# KiCad board pedalboard-hw.kicad_pcb (continued)
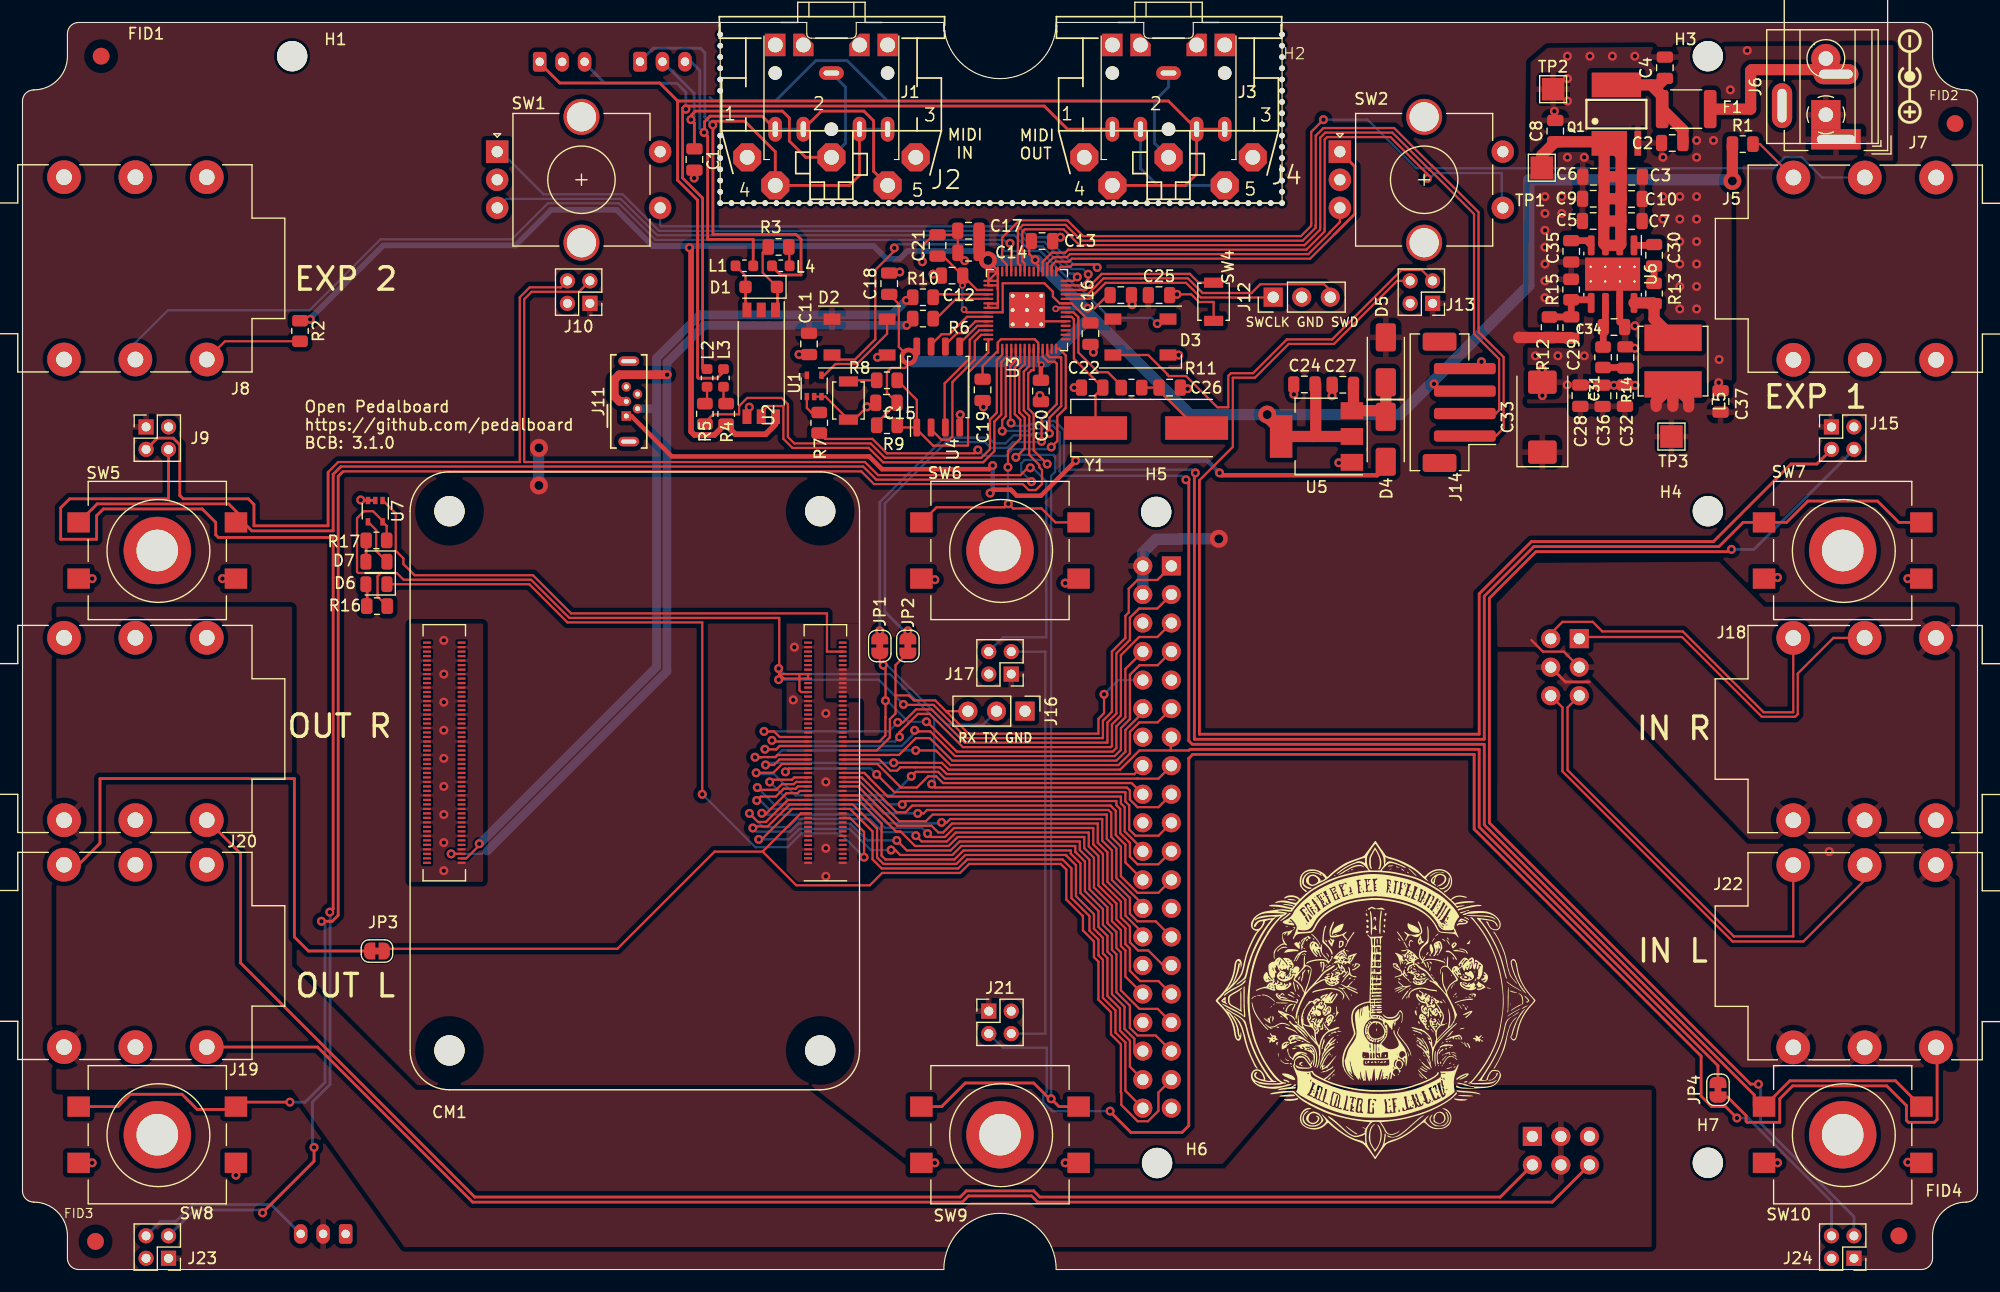
[diagram p0: board, top side]
## Footprints (pads in the part's own frame, mm; a bottom-side part is the same pattern mirrored in y, then rotated)
BarrelJack_Wuerth_6941xx301002
  rect 4.4x1.8 hole 3.4x0.8: 1(0,0)
  oval 4x1.8 hole 3x0.8: 2(0,-5.8)
  oval 1.8x4 hole 0.8x3: 3(4.8,-3)
C_0805_2012Metric
  rrect 1x1.45 smd: 1(-0.95,0) 2(0.95,0)
CP-2350
  rrect 2.5x2.5 hole 1.321: 1(7.5,10) 2(0,10) 3(-7.5,10) 4(5,12.5) 5(-5,12.5)
  rrect 1.8x2 hole 1.321: PE(-2.5,0) PE@(2.5,0)
  rect 1.8x2 hole 1.321: PE1(-5,0) PE2(5,0)
CP_EIA-7343-31_Kemet-D
  rrect 2.075x2.55 smd: 1(-3.112,0) 2(3.112,0)
Crystal_SMD_HC49-US
  rect 5.6x2.1 smd: 1(-4.5,0) 2(4.5,0)
D_SMA
  rrect 2.5x1.8 smd: 1(-2,0) 2(2,0)
D_SOD-123F
  rrect 1.1x1.1 smd: 1(-1.4,0) 2(1.4,0)
Fiducial_1.5mm_Mask3mm
  round 1.5 smd: (0,0)
Fuse_1812_4532Metric
  rrect 1.125x3.4 smd: 1(-2.138,0) 2(2.138,0)
HiFi Berry DAC ADC+
  rect 1.7x1.7 hole 1: 1(0,0) 41(-36.305,-6.47) 47(-32.13,-50.775)
  oval 1.7x1.7 hole 1: 2(2.54,0) 3(0,-2.54) 4(2.54,-2.54) 5(0,-5.08) 6(2.54,-5.08) 7(0,-7.62) 8(2.54,-7.62) 9(0,-10.16) 10(2.54,-10.16) 11(0,-12.7) 12(2.54,-12.7) 13(0,-15.24) 14(2.54,-15.24) 15(0,-17.78) 16(2.54,-17.78) 17(0,-20.32) 18(2.54,-20.32) 19(0,-22.86) 20(2.54,-22.86) 21(0,-25.4) 22(2.54,-25.4) 23(0,-27.94) 24(2.54,-27.94) 25(0,-30.48) 26(2.54,-30.48) 27(0,-33.02) 28(2.54,-33.02) 29(0,-35.56) 30(2.54,-35.56) 31(0,-38.1) 32(2.54,-38.1) 33(0,-40.64) 34(2.54,-40.64) 35(0,-43.18) 36(2.54,-43.18) 37(0,-45.72) 38(2.54,-45.72) 39(0,-48.26) 40(2.54,-48.26) 42(-33.765,-6.47) 43(-36.305,-9.01) 44(-33.765,-9.01) 45(-36.305,-11.55) 46(-33.765,-11.55) 48(-32.13,-53.315) 49(-34.67,-50.775) 50(-34.67,-53.315) 51(-37.21,-50.775) 52(-37.21,-53.315)
Jack_3.5mm_CUI_SJ1-3525N_Horizontal
  round 1.2 hole 1.2 unplated: (-5,0) (0,5) (5,0)
  oval 1.2x2.2 hole 0.45x1.4: R(-5,5) RN(-2.5,5) T(5,5) TN(2.5,5)
  oval 2.2x1.2 hole 1.4x0.45: S(0,0)
Jack_6.35mm_Horizontal
  round 3 hole 1.4: R(6.35,0) RN(6.35,-16.23) S(12.7,0) SN(12.7,-16.23) T(0,0) TN(0,-16.23)
JST_PH_B3B-PH-K_1x03_P2.00mm_Vertical
  rrect 1.2x1.75 hole 0.75: 1(0,0)
  oval 1.2x1.75 hole 0.75: 2(2,0) 3(4,0)
JST_PH_B4B-PH-SM4-TB_1x04-1MP_P2.00mm_Vertical
  rrect 1x5.5 smd: 1(-3,-0.5) 2(-1,-0.5) 3(1,-0.5) 4(3,-0.5)
  rrect 1.6x3 smd: MP(-5.4,1.75) MP(5.4,1.75)
L_0603_1608Metric
  rrect 0.875x0.95 smd: 1(-0.787,0) 2(0.787,0)
L_Bourns_SRN6045TA
  rect 2.35x5.1 smd: 1(-2.075,0) 2(2.075,0)
Led-Ring
  rect 1.35x1.35 hole 0.8: 1(0,0)
  oval 1.35x1.35 hole 0.8: 2(2,0) 3(0,-2) 4(2,-2)
LED_0805_2012Metric
  rrect 0.975x1.4 smd: 1(-0.938,0) 2(0.938,0)
LED_SK6812_PLCC4_5.0x5.0mm_P3.2mm
  rect 1.5x1 smd: 1(2.45,-1.6) 2(2.45,1.6) 3(-2.45,1.6) 4(-2.45,-1.6)
MIDI bites
  round 0.6 hole 0.5 unplated: (-25,-1) (-25,-2) (-25,-3) (-25,-4) (-25,-5) (-25,-6) (-25,-10) (-25,-11) (-25,-12) (-25,-13) (-25,-14) (-25,-15) (-25,-16) (-24,-16) (-23,-16) (-22,-16) (-21,-16) (-20,-16) (-19,-16) (-18,-16) (-17,-16) (-16,-16) (-15,-16) (-14,-16) (-13,-16) (-12,-16) (-11,-16) (-10,-16) (-9,-16) (-8,-16) (-7,-16) (-6,-16) (-5,-16) (-4,-16) (-3,-16) (-2,-16) (-1,-16) (0,-16) (1,-16) (2,-16) (3,-16) (4,-16) (5,-16) (6,-16) (7,-16) (8,-16) (9,-16) (10,-16) (11,-16) (12,-16) (13,-16) (14,-16) (15,-16) (16,-16) (17,-16) (18,-16) (19,-16) (20,-16) (21,-16) (22,-16) (23,-16) (24,-16) (25,-1) (25,-2) (25,-3) (25,-4) (25,-5) (25,-6) (25,-7) (25,-8) (25,-9) (25,-10) (25,-11) (25,-12) (25,-13) (25,-14) (25,-15) (25,-16)
MountingHole_2.7mm_M2.5_DIN965
  round 2.7 hole 2.7 unplated: (0,0)
PinHeader_1x03_P2.54mm_Vertical
  rect 1.7x1.7 hole 1: 1(0,0)
  oval 1.7x1.7 hole 1: 2(0,-2.54) 3(0,-5.08)
R_0805_2012Metric
  rrect 1.025x1.4 smd: 1(-0.912,0) 2(0.912,0)
Raspberry-Pi-4-Compute-Module
  round 2.7 hole 2.7 unplated: (0,48) (0,0) (33,48) (33,0)
  rect 0.7x0.2 smd: 1(-2,31.3) 2(1.08,31.3) 3(-2,30.9) 4(1.08,30.9) 5(-2,30.5) 6(1.08,30.5) 7(-2,30.1) 8(1.08,30.1) 9(-2,29.7) 10(1.08,29.7) 11(-2,29.3) 12(1.08,29.3) 13(-2,28.9) 14(1.08,28.9) 15(-2,28.5) 16(1.08,28.5) 17(-2,28.1) 18(1.08,28.1) 19(-2,27.7) 20(1.08,27.7) 21(-2,27.3) 22(1.08,27.3) 23(-2,26.9) 24(1.08,26.9) 25(-2,26.5) 26(1.08,26.5) 27(-2,26.1) 28(1.08,26.1) 29(-2,25.7) 30(1.08,25.7) 31(-2,25.3) 32(1.08,25.3) 33(-2,24.9) 34(1.08,24.9) 35(-2,24.5) 36(1.08,24.5) 37(-2,24.1) 38(1.08,24.1) 39(-2,23.7) 40(1.08,23.7) 41(-2,23.3) 42(1.08,23.3) 43(-2,22.9) 44(1.08,22.9) 45(-2,22.5) 46(1.08,22.5) 47(-2,22.1) 48(1.08,22.1) 49(-2,21.7) 50(1.08,21.7) 51(-2,21.3) 52(1.08,21.3) 53(-2,20.9) 54(1.08,20.9) 55(-2,20.5) 56(1.08,20.5) 57(-2,20.1) 58(1.08,20.1) 59(-2,19.7) 60(1.08,19.7) 61(-2,19.3) 62(1.08,19.3) 63(-2,18.9) 64(1.08,18.9) 65(-2,18.5) 66(1.08,18.5) 67(-2,18.1) 68(1.08,18.1) 69(-2,17.7) 70(1.08,17.7) 71(-2,17.3) 72(1.08,17.3) 73(-2,16.9) 74(1.08,16.9) 75(-2,16.5) 76(1.08,16.5) 77(-2,16.1) 78(1.08,16.1) 79(-2,15.7) 80(1.08,15.7) 81(-2,15.3) 82(1.08,15.3) 83(-2,14.9) 84(1.08,14.9) 85(-2,14.5) 86(1.08,14.5) 87(-2,14.1) 88(1.08,14.1) 89(-2,13.7) 90(1.08,13.7) 91(-2,13.3) 92(1.08,13.3) 93(-2,12.9) 94(1.08,12.9) 95(-2,12.5) 96(1.08,12.5) 97(-2,12.1) 98(1.08,12.1) 99(-2,11.7) 100(1.08,11.7) 101(31.92,31.3) 102(35,31.3) 103(31.92,30.9) 104(35,30.9) 105(31.92,30.5) 106(35,30.5) 107(31.92,30.1) 108(35,30.1) 109(31.92,29.7) 110(35,29.7) 111(31.92,29.3) 112(35,29.3) 113(31.92,28.9) 114(35,28.9) 115(31.92,28.5) 116(35,28.5) 117(31.92,28.1) 118(35,28.1) 119(31.92,27.7) 120(35,27.7) 121(31.92,27.3) 122(35,27.3) 123(31.92,26.9) 124(35,26.9) 125(31.92,26.5) 126(35,26.5) 127(31.92,26.1) 128(35,26.1) 129(31.92,25.7) 130(35,25.7) 131(31.92,25.3) 132(35,25.3) 133(31.92,24.9) 134(35,24.9) 135(31.92,24.5) 136(35,24.5) 137(31.92,24.1) 138(35,24.1) 139(31.92,23.7) 140(35,23.7) 141(31.92,23.3) 142(35,23.3) 143(31.92,22.9) 144(35,22.9) 145(31.92,22.5) 146(35,22.5) 147(31.92,22.1) 148(35,22.1) 149(31.92,21.7) 150(35,21.7) 151(31.92,21.3) 152(35,21.3) 153(31.92,20.9) 154(35,20.9) 155(31.92,20.5) 156(35,20.5) 157(31.92,20.1) 158(35,20.1) 159(31.92,19.7) 160(35,19.7) 161(31.92,19.3) 162(35,19.3) 163(31.92,18.9) 164(35,18.9) 165(31.92,18.5) 166(35,18.5) 167(31.92,18.1) 168(35,18.1) 169(31.92,17.7) 170(35,17.7) 171(31.92,17.3) 172(35,17.3) 173(31.92,16.9) 174(35,16.9) 175(31.92,16.5) 176(35,16.5) 177(31.92,16.1) 178(35,16.1) 179(31.92,15.7) 180(35,15.7) 181(31.92,15.3) 182(35,15.3) 183(31.92,14.9) 184(35,14.9) 185(31.92,14.5) 186(35,14.5) 187(31.92,14.1) 188(35,14.1) 189(31.92,13.7) 190(35,13.7) 191(31.92,13.3) 192(35,13.3) 193(31.92,12.9) 194(35,12.9) 195(31.92,12.5) 196(35,12.5) 197(31.92,12.1) 198(35,12.1) 199(31.92,11.7) 200(35,11.7)
RotaryEncoder_Alps_EC11E-Switch_Vertical_H20mm_CircularMountingHoles
  rect 2x2 hole 1: A(0,0)
  round 2 hole 1: B(0,-5) C(0,-2.5) S1(14.5,-5) S2(14.5,0)
  round 3.2 hole 2.6: MP(7.5,3.1) MP(7.5,-8.1)
RP2040-QFN-56
  rrect 1.084x1.084 smd: (-0.637,0.637) (-0.637,-0.637) (0.637,0.637) (0.637,-0.637)
  rrect 0.875x0.2 smd: 1(-3.438,2.6) 2(-3.438,2.2) 3(-3.438,1.8) 4(-3.438,1.4) 5(-3.438,1) 6(-3.438,0.6) 7(-3.438,0.2) 8(-3.438,-0.2) 9(-3.438,-0.6) 10(-3.438,-1) 11(-3.438,-1.4) 12(-3.438,-1.8) 13(-3.438,-2.2) 14(-3.438,-2.6) 29(3.438,-2.6) 30(3.438,-2.2) 31(3.438,-1.8) 32(3.438,-1.4) 33(3.438,-1) 34(3.438,-0.6) 35(3.438,-0.2) 36(3.438,0.2) 37(3.438,0.6) 38(3.438,1) 39(3.438,1.4) 40(3.438,1.8) 41(3.438,2.2) 42(3.438,2.6)
  rrect 0.2x0.875 smd: 15(-2.6,-3.438) 16(-2.2,-3.438) 17(-1.8,-3.438) 18(-1.4,-3.438) 19(-1,-3.438) 20(-0.6,-3.438) 21(-0.2,-3.438) 22(0.2,-3.438) 23(0.6,-3.438) 24(1,-3.438) 25(1.4,-3.438) 26(1.8,-3.438) 27(2.2,-3.438) 28(2.6,-3.438) 43(2.6,3.438) 44(2.2,3.438) 45(1.8,3.438) 46(1.4,3.438) 47(1,3.438) 48(0.6,3.438) 49(0.2,3.438) 50(-0.2,3.438) 51(-0.6,3.438) 52(-1,3.438) 53(-1.4,3.438) 54(-1.8,3.438) 55(-2.2,3.438) 56(-2.6,3.438)
  round 0.6 hole 0.35: 57(-1.275,1.275) 57(-1.275,0) 57(-1.275,-1.275) 57(0,1.275) 57(0,0) 57(0,-1.275) 57(1.275,1.275) 57(1.275,0) 57(1.275,-1.275)
  rrect 3.2x3.2 smd: 57(0,0)
SO08-E3
  rect 3.15x2.2 smd: 1-3(-0.635,-2.6)
  rect 0.6x2.2 smd: 4(1.905,-2.6)
  rect 4.4x2.2 smd: 5-8(0,2.6)
SO-6L_10x3.84mm_P1.27mm
  rect 1.3x0.8 smd: 1(-4.75,1.27) 2(-4.75,0) 3(-4.75,-1.27) 4(4.75,-1.27) 5(4.75,0) 6(4.75,1.27)
SOIC-8-1EP_3.9x4.9mm_P1.27mm_EP2.95x4.9mm_Mask2.71x3.4mm_ThermalVias
  rrect 1.13x1.42 smd: (-0.68,0.85) (-0.68,-0.85) (0.68,0.85) (0.68,-0.85)
  rect 2.71x3.4 smd: (0,0)
  rrect 1.775x0.6 smd: 1(-2.562,1.905) 2(-2.562,0.635) 3(-2.562,-0.635) 4(-2.562,-1.905) 5(2.562,-1.905) 6(2.562,-0.635) 7(2.562,0.635) 8(2.562,1.905)
  round 0.5 hole 0.2: 9(-0.65,1.95) 9(-0.65,0.65) 9(-0.65,-0.65) 9(-0.65,-1.95) 9(0.65,1.95) 9(0.65,0.65) 9(0.65,-0.65) 9(0.65,-1.95)
  rect 1.8x4.4 smd far side: 9(0,0)
  rect 2.95x4.9 smd: 9(0,0)
SOIC-8_5.23x5.23mm_P1.27mm
  rrect 1.6x0.6 smd: 1(-3.6,1.905) 2(-3.6,0.635) 3(-3.6,-0.635) 4(-3.6,-1.905) 5(3.6,-1.905) 6(3.6,-0.635) 7(3.6,0.635) 8(3.6,1.905)
SolderJumper-2_P1.3mm_Bridged_RoundedPad1.0x1.5mm
  custom 1x0.5 smd: 1(-0.65,0) 2(0.65,0)
SOT-223-3_TabPin2
  rect 2x1.5 smd: 1(-3.15,2.3) 2(-3.15,0) 3(-3.15,-2.3)
  rect 2x3.8 smd: 2(3.15,0)
SOT-353_SC-70-5
  rect 0.65x0.4 smd: 1(-0.95,0.65) 2(-0.95,0) 3(-0.95,-0.65) 4(0.95,-0.65) 5(0.95,0.65)
SW_PUSH-12mm_Wuerth
  rect 2x1.8 smd: 1(-7,2.5) 1(7,2.5) 2(-7,-2.5) 2(7,-2.5)
SW_SPST_B3U-1000P
  rect 0.9x1.7 smd: 1(-1.7,0) 2(1.7,0)
TerminalBlock_Phoenix_MKDS-1,5-2_1x02_P5.00mm_Horizontal
  rect 2.6x2.6 hole 1.3: 1(0,0)
  round 2.6 hole 1.3: 2(5,0)
TestPoint_Pad_2.0x2.0mm
  rect 2x2 smd: 1(0,0)
USB_Micro-B_Wuerth_614105150721_Vertical
  rect 0.84x0.84 hole 0.44: 1(0,0)
  round 0.84 hole 0.44: 2(0.65,-1) 3(1.3,0) 4(1.95,-1) 5(2.6,0)
  oval 0.85x1.85 hole 0.35x1.35: 6(-2.275,-0.22) 6(4.875,-0.22)
WA-SMSI_M2.5
  round 6 hole 3.7 unplated: (0,0)

## Nets
+1V1: C12.1 C16.1 C21.1 U3.23 U3.45 U3.50
+3V3: C13.1 C14.1 C15.1 C17.1 C18.1 C19.1 C20.1 C23.1 C24.1 J14.3 R1.1 R2.1 R4.1 R9.1 U2.6 U3.1 U3.10 U3.22 U3.33 U3.42 U3.43 U3.44 U3.48 U3.49 U4.8 U5.2
+5VP: C11.1 C25.1 C28.1 C29.1 C32.1 C33.1 C36.1 C37.1 CM1.77 CM1.79 CM1.81 CM1.83 CM1.85 CM1.87 D2.3 D3.3 D5.2 J9.1 J10.1 J13.1 J15.1 J17.1 J21.1 J23.1 J24.1 J27.2 J27.4 J28.2 L5.2 R12.1 TP3.1 U1.5
/Audio/GND_in_L: J22.RN J22.S J22.TN J27.44
/Audio/GND_in_R: J18.RN J18.S J18.TN J27.43
/Audio/GND_out: J19.S J20.S J27.49 J27.50
GND: C1.2 C2.2 C3.2 C4.2 C5.2 C6.2 C7.2 C8.2 C9.2 C10.2 C11.2 C12.2 C13.2 C14.2 C15.2 C16.2 C17.2 C18.2 C19.2 C20.2 C21.2 C22.2 C23.2 C24.2 C25.2 C26.2 C27.2 C28.2 C31.2 C32.2 C33.2 C34.2 C35.2 C36.2 C37.2 CM1.1 CM1.2 CM1.7 CM1.8 CM1.13 CM1.14 CM1.22 CM1.23 CM1.32 CM1.33 CM1.42 CM1.43 CM1.52 CM1.53 CM1.59 CM1.60 CM1.65 CM1.66 CM1.71 CM1.74 CM1.98 CM1.101 CM1.107 CM1.108 CM1.113 CM1.114 CM1.119 CM1.120 CM1.125 CM1.126 CM1.131 CM1.132 CM1.137 CM1.138 CM1.144 CM1.150 CM1.155 CM1.156 CM1.161 CM1.162 CM1.167 CM1.168 CM1.173 CM1.174 CM1.179 CM1.180 CM1.185 CM1.186 CM1.191 CM1.192 CM1.197 CM1.198 D2.1 D3.1 J3.S J4.2 J5.RN J5.S J6.1 J7.1 J8.RN J8.S J9.2 J10.2 J11.5 J11.6 J12.2 J13.2 J14.4 J15.2 J16.1 J17.2 J21.2 J23.2 J24.2 J26.2 J27.6 J27.9 J27.14 J27.20 J27.25 J27.30 J27.34 J27.39 J28.1 Q1.4 R15.2 SW1.C SW1.S2 SW2.C SW2.S2 SW3.1 SW4.1 SW5.2 SW6.2 SW7.2 SW8.2 SW9.2 SW10.2 TP2.1 U1.2 U1.3 U2.4 U3.19 U3.57 U4.4 U5.1 U6.7 U6.9 U7.2 U7.3
VBUS: D4.2 J11.1
/Audio/audio_in_stereo: CM1.48 J27.13 JP4.2
/Audio/audio_out_stereo: CM1.24 J27.37 JP3.2
/Audio/audio_pcm_clk: CM1.49 J27.12
/Audio/audio_pcm_din: CM1.27 J27.38
/Audio/audio_pcm_dout: CM1.25 J27.40
/Audio/audio_pcm_fs: CM1.26 J27.35
/Audio/CM4_3V3: CM1.78 CM1.84 CM1.86 J27.1 J27.17 R16.2 R17.2 U7.5
/Audio/CM4_GPIO4: CM1.54 J27.7
/Audio/CM4_GPIO5: CM1.34 J27.29
/Audio/CM4_GPIO6: CM1.30 J27.31
/Audio/CM4_GPIO7: CM1.37 J27.26
/Audio/CM4_GPIO8: CM1.39 J27.24
/Audio/CM4_GPIO9: CM1.40 J27.21
/Audio/CM4_GPIO10: CM1.44 J27.19
/Audio/CM4_GPIO11: CM1.38 J27.23
/Audio/CM4_GPIO12: CM1.31 J27.32
/Audio/CM4_GPIO13: CM1.28 J27.33
/Audio/CM4_GPIO14: CM1.55 J16.2 J27.8 JP1.1
/Audio/CM4_GPIO15: CM1.51 J16.3 J27.10 JP2.1
/Audio/CM4_GPIO16: CM1.29 J27.36
/Audio/CM4_GPIO17: CM1.50 J27.11
/Audio/CM4_GPIO22: CM1.46 J27.15
/Audio/CM4_GPIO23: CM1.47 J27.16
/Audio/CM4_GPIO24: CM1.45 J27.18
/Audio/CM4_GPIO25: CM1.41 J27.22
/Audio/CM4_ID_SC: CM1.35 J27.28
/Audio/CM4_ID_SD: CM1.36 J27.27
/Audio/CM4_LED_ACT: CM1.21 D6.1
/Audio/CM4_LED_PWR: CM1.95 U7.1
/Audio/conf_i2c_scl: CM1.56 J27.5
/Audio/conf_i2c_sda: CM1.58 J27.3
/Audio/in_L+: J22.T J27.45
/Audio/in_L-: J22.R J27.46
/Audio/in_R+: J18.T J27.42
/Audio/in_R-: J18.R J27.41
/Connectivity/USB2_N: CM1.103 J11.2 R10.1
/Connectivity/USB2_P: CM1.105 J11.3 R6.1
/LEDs/RGB_DATA: R7.1 U3.14
/MIDI/A_EXP1: J5.R U3.40
/MIDI/A_EXP2: J8.R U3.39
/MIDI/EXT_MIDI_RX: U2.5 U3.3
/MIDI/EXT_MIDI_TX: R5.2 U3.2
/MIDI/I2C_SCL: J14.1 U3.37
/MIDI/I2C_SDA: J14.2 U3.36
/MIDI/QSPI_SCLK: U3.52 U4.6
/MIDI/QSPI_SD0: U3.53 U4.5
/MIDI/QSPI_SD1: U3.55 U4.2
/MIDI/QSPI_SD2: U3.54 U4.3
/MIDI/QSPI_SD3: U3.51 U4.7
/MIDI/QSPI_SS: R8.2 R9.2 U3.56 U4.1
/MIDI/ROT_GAIN_A: SW2.A U3.30
/MIDI/ROT_GAIN_B: SW2.B U3.31
/MIDI/ROT_VOL_A: SW1.A U3.27
/MIDI/ROT_VOL_B: SW1.B U3.28
/MIDI/SW_A: SW8.1 U3.8
/MIDI/SW_B: SW9.1 U3.7
/MIDI/SW_C: SW10.1 U3.4
/MIDI/SW_D: SW5.1 U3.9
/MIDI/SW_E: SW6.1 U3.6
/MIDI/SW_F: SW7.1 U3.5
/MIDI/SW_GAIN: SW2.S1 U3.32
/MIDI/SW_VOL: SW1.S1 U3.29
/MIDI/SWCLK: J12.1 U3.24
/MIDI/SWD: J12.3 U3.25
/MIDI/XIN: C22.1 U3.20 Y1.1
/MIDI/XOUT: R11.1 U3.21
/MIDI/~{USB_BOOT}: R8.1 SW3.2
/Power Supply/fused: C2.1 C4.1 F1.2 Q1.5-8
/Power Supply/ored: C27.1 D4.1 D5.1 U5.3
/Power Supply/polarity_checked: C3.1 C5.1 C6.1 C7.1 C8.1 C9.1 C10.1 Q1.1-3 TP1.1 U6.2 U6.3
/Power Supply/switch: L5.1 R13.1 U6.8
/Power Supply/unfused: F1.1 J6.2 J7.2
Net-(C26-Pad1): C26.1 R11.2 Y1.2
Net-(C30-Pad1): C30.1 R13.2
Net-(C31-Pad1): C31.1 R14.2
Net-(D1-A): D1.2 L1.2 U2.3
Net-(D1-K): D1.1 R3.2 U2.1
Net-(D2-DIN): D2.2 U1.4
Net-(D2-DOUT): D2.4 D3.2
Net-(D3-DOUT): D3.4 J13.3
Net-(D6-A): D6.2 R16.1
Net-(D7-A): D7.2 R17.1
Net-(D7-K): D7.1 U7.4
Net-(J5-PadT): J5.T R1.2
Net-(J8-PadT): J8.T R2.2
Net-(J10-Pin_3): J10.3 J17.4
Net-(J10-Pin_4): J9.3 J10.4
Net-(J13-Pin_4): J13.4 J15.3
Net-(J15-Pin_4): J15.4 J24.3
Net-(J17-Pin_3): J17.3 J21.4
Net-(J21-Pin_3): J21.3 J24.4
Net-(J23-Pin_3): J9.4 J23.3
Net-(J23-Pin_4): J23.4 J28.3
Net-(J25-Pin_1): J1.R J1.RN J2.4 J25.1 L4.1
Net-(J25-Pin_2): C1.1 J1.S J2.2 J25.2
Net-(J25-Pin_3): J1.T J1.TN J2.5 J25.3 L1.1
Net-(J26-Pin_1): J3.R J3.RN J4.4 J26.1 L3.1
Net-(J26-Pin_3): J3.T J3.TN J4.5 J26.3 L2.1
Net-(J27-out_L): J19.T J27.52
Net-(J27-out_R): J20.T J27.48
Net-(JP1-B): JP1.2 U3.12
Net-(JP2-B): JP2.2 U3.11
Net-(JP3-A): J19.SN JP3.1
Net-(JP4-A): J22.SN JP4.1
Net-(L2-Pad2): L2.2 R5.1
Net-(L3-Pad2): L3.2 R4.2
Net-(L4-Pad2): L4.2 R3.1
Net-(U1-A): R7.2 U1.1
Net-(U3-RUN): SW4.2 U3.26
Net-(U3-USB_DM): R10.2 U3.46
Net-(U3-USB_DP): R6.2 U3.47
Net-(U6-BST): C30.2 U6.1
Net-(U6-COMP): C34.1 R14.1 U6.6
Net-(U6-FB): C29.2 R12.2 R15.1 U6.5
Net-(U6-SS): C35.1 U6.4

Pads without a net: CM1 3 4 5 6 9 10 11 12 15 16 17 18 19 20 57 61 62 63 64 67 68 69 70 72 73 75 76 80 82 88 89 90 91 92 93 94 96 97 99 100 102 104 106 109 110 111 112 115 116 117 118 121 122 123 124 127 128 129 130 133 134 135 136 139 140 141 142 143 145 146 147 148 149 151 152 153 154 157 158 159 160 163 164 165 166 169 170 171 172 175 176 177 178 181 182 183 184 187 188 189 190 193 194 195 196 199 200; J2 1 3 PE PE1 PE2 PE@; J4 1 3 PE PE1 PE2 PE@; J5 SN TN; J7 3; J8 SN TN; J11 4; J14 MP; J18 SN; J19 R RN TN; J20 R RN SN TN; J27 47 51; SW1 MP; SW2 MP; U2 2; U3 13 15 16 17 18 34 35 38 41

## Via types
v1: diameter 0.8, hole 0.4, Top to Bottom, 193 vias
v2: diameter 1.6, hole 0.8, Top to Bottom, 7 vias
v3: diameter 0.6, hole 0.3, Top to Bottom, 4 vias

## Routing (per net, layer and track width the routed paths; a pad name or vN(x,y) marks a point on that pad's centre or on a via; arc(x,y) is an arc through that point)
+1V1: length 23.7
  Top w0.2: 81.76,90.38 83.54,88.6 ; v3(83.8,85.44) 84.04,85.2 U3.50 87.24,85.2 87.24,87.79 90.95,87.79 91.71,87.03 91.71,86.6 92.31,86 U3.23 93.37,86 95.05,84.32 ; 85.66,87.2 84.95,87.2 C12.1 83.68,87.61 v3(83.66,87.59)
  Bottom w0.2: v3(83.66,87.59) 83.66,85.58 v3(83.8,85.44)
+3V3: length 266.2
  Top w0.2: 96.6,86.75 95.42,85.57 v1(94.79,85.57) ; U3.42 86.8,88 ; U3.42 86.8,88.95 v2(85.92,89.83) ; U3.42 U3.43 ; U3.42 85.97,88.84 85.96,88.84 ; 86.8,88 86.8,87.29 86.81,87.28 ; 86.8,88 U3.43 ; U3.22 92.04,85.6 v3(91.95,85.51) ; U3.43 U3.44 86.79,87.6 86.81,87.58 86.81,87.28 ; U3.43 85.96,88.84 ; C19.1 85.45,80.41 86.7,81.66 ; 86.81,87.28 86.81,85.98 ; U3.1 86.8,82.52 87.09,82.81 90.08,82.81 90.4,82.49 U3.10 90.4,80.82 v3(90.68,80.54) 90.64,80.5 ; 85.96,88.84 85.96,89.79 v2(85.92,89.83) ; U3.33 90.4,89.37 90.12,89.65 v1(90.12,89.87) 89.6,90.39 89.6,91.95 ; 76.03,75.34 C15.1 76.94,78.05 76.94,79.87 77.32,80.25 78.55,80.25 79.59,81.3 U4.8 78.87,81.42 v2(78.87,81.25) 78,82.12 78,85.94 C18.1 ; 86.81,85.98 85.98,85.98 U3.48 U3.49 86.79,85.6 86.79,85.96 86.81,85.98 ; v2(85.92,89.83) 85.15,90.6
  Top w0.4: 90.64,80.5 C20.1
  Top w0.5: 67.02,75.23 66.14,74.35 63.44,74.35 62.54,75.25 61.58,74.28 59.81,74.28 59.5,74.59 59.5,90.8 v1(59.36,90.95)
  Top w1: v2(110.78,76.1) 110.78,75.87 112.5,74.15 114.85,74.15 ; 85.14,92.59 85.14,90.61 85.15,90.6 ; 114.85,74.15 115.1,74.4 115.1,78.8 ; 114.85,74.15 118.8,74.15 ; 152.19,100.04 152.18,100.04 v2(152.18,96.9)
  Bottom w0.25: 85.83,89.83 v2(85.92,89.83)
  Bottom w0.4: v1(94.79,85.57) 92.01,85.57 v3(91.95,85.51)
  Bottom w0.5: 85.83,89.83 84.99,90.67 78.77,90.67 78.07,89.97 76.9,89.97 75.77,91.1 56.11,91.1 52.89,94.32 47.05,94.32 43.88,91.15 32.1,91.15 25.61,84.66 v1(25.61,84.57)
  Bottom w1: v2(85.92,89.83) 90.29,89.83 94.54,85.57 ; 94.79,85.21 103.9,76.1 v2(110.78,76.1) 122.59,76.1 125.61,79.12 125.63,79.12 125.63,79.14 134.07,87.58 134.07,97 152.08,97 v2(152.18,96.9) ; 95,84.75 91.06,80.81 79.31,80.81 v2(78.87,81.25)
  vias: v1(125.63,78.83)
+5VP: length 27
  Top w0.2: 46.19,73.36 v2(45.97,73.13) ; 51.02,86 J10.1
  Top w1: 133.18,82.98 133.2,82.96 R12.1 137.77,82.96 C29.1 ; 146.89,78.78 146.89,76.83 ; 145.4,76.83 145.4,77.28 L5.2 148.29,77.4 148.29,76.78
  Bottom w1: v2(45.97,73.13) 45.93,73.1 45.93,69.82 v2(45.96,69.79) ; J27.4 J27.2 99.71,63.83 100.88,65 103,65 103.04,65.04 v2(106.47,65.04)
/Audio/GND_in_L: length 4
  Top w0.25: 139.45,52.3 137.33,52.3 J27.44
  vias: v1(160.8,37.2)
/Audio/GND_in_R: length 5.3
  Top w0.2: 134.29,56.03 135.32,55 137.17,55 J27.43
GND: length 106
  Top w0.2: 76.1,77 75.37,77 v1(75.16,76.79) 74.02,75.65 SW3.1 71.46,77.7 U1.3 U1.2 ; v1(116.55,77.77) 116.98,78.2 116.98,78.72 ; 83.24,90.51 C17.2 82.88,92.1 C21.2 ; 98.79,87.04 98.79,85.91 v1(98.76,85.88) ; 142.16,87.97 U6.9 ; C26.2 103.6,78.5 v1(103.7,78.4) ; C16.2 95.05,81.91 v1(95.31,81.65) ; 118.8,71.85 117.19,71.85 v1(117.15,71.81) ; 113.14,78.71 113.15,78.7 v1(113.15,77.9) ; 90.55,77.25 v1(90.55,77.8) ; v1(85.52,76.78) 85.65,76.91 85.65,77.35 ; v1(81.04,88.6) 81.78,88.6 ; v1(59.78,97.15) 59.8,97.17 C1.2 ; v1(69.11,81.45) 69.12,81.44 C11.2 ; v1(102.75,86.8) 104.02,86.8 104.7,86.12 106.01,86.12 SW4.1 ; C18.2 77.99,88.7 v1(78.08,88.79) ; C22.2 v1(93.6,78.5) ; v1(80.09,89.7) 80.09,91.11 81.26,92.28 ; U3.19 90.95,84.4 U3.57 ; U2.4 64.48,76.55 v1(64.69,76.76) ; 142.16,84.33 C34.2
  Top w0.25: D2.1 76.3,81.4 v1(76.1,81.2) ; v1(30.1,68.5) 30.13,68.46 31,68.46 ; 31,68.46 31.4,68.46 ; 31,68.46 30.74,68.46 ; D3.1 v1(102.9,81.4)
  Top w0.6: 142.16,87.97 U6.7 142.16,84.33
  Bottom w0.2: 92.09,91.89 92.09,91.89 92.13,91.89
  Bottom w0.25: 100.75,104 77,104 73.4,107.6 70.6,107.6 67.02,104.02 61.49,104.02 61.18,104.33 ; 100.75,104 100.75,100.25 J4.2 ; 100.75,104 102,105.25 J3.S
  Bottom w0.4: U3.57 U3.57 ; U3.57 U3.57 ; U3.57 U3.57 ; U3.57 U3.57 ; U3.57 U3.57 ; U3.57 U3.57
  vias: v1(6.2,61.5) v1(6.2,9.5) v1(17.8,61.5) v1(19,8.4) v1(37.5,56) v1(37.5,53) v1(37.5,50.5) v1(37.5,48) v1(37.5,45.5) v1(37.5,43) v1(37.5,40.5) v1(37.5,38) v1(37.5,35.5) v1(68.6,50.7) v1(68.7,55.4) v1(71.5,49.5) v1(71.5,43.4) v1(71.5,37.5) v1(71.5,35) v1(81.2,61.4) v1(81.2,9.5) v1(83.46,76.09) v1(83.86,89.79) v1(92.38,91.89) v1(92.8,61.1) v1(92.8,9.5) v1(129.85,80.8) v1(134.65,81.33) v1(135.25,80.14) v1(135.27,77.79) v1(135.5,95.5) v1(135.5,94) v1(135.5,92.5) v1(135.5,91) v1(135.5,89.5) v1(135.5,88) v1(135.5,86.5) v1(136.34,103.1) v1(136.65,81.33) v1(137,95.5) v1(137,94) v1(137.5,108) v1(137.5,106) v1(137.5,104) v1(137.5,99) v1(137.48,78.74) v1(139,99) v1(139,81.33) v1(139.5,108) v1(139.6,78.75) v1(141.5,108) v1(141.64,78.71) v1(143.5,108) v1(143.5,84) v1(143.5,82) v1(143.52,78.71) v1(146,99) v1(146,95.5) v1(146,93.5) v1(147.5,95.5) v1(147.5,93.5) v1(147.5,91.5) v1(147.5,89.5) v1(147.5,87.5) v1(147.5,85.5) v1(149,100.5) v1(149,99) v1(149,95.5) v1(149,93.5) v1(149,91.5) v1(149,89.5) v1(149,87.5) v1(149,85.5) v1(150.5,100.5) v1(151,81) v1(150.96,78.94) v1(152,105) v1(153.5,108.5) v1(156.2,61.6) v1(156.2,9.5) v1(167.8,61.5) v1(167.8,9.55)
VBUS: length 75.8
  Top w0.4: v1(106.54,70.91) 106.75,70.7 120.55,70.7 121.9,72.05 ; v1(93.73,72) 93.73,71.97 90.64,68.88 88.49,68.88 87.96,69.41 86.42,69.41 v1(86.12,69.11) ; v1(86.35,71.56) 86.02,71.24 76.5,71.24 75.37,72.38 57.78,72.38 54.19,75.97 J11.1
  Bottom w0.2: 86.35,69.43 86.12,69.2 v1(86.12,69.11)
  Bottom w0.4: v1(93.73,72) 105.45,72 v1(106.54,70.91) ; v1(86.35,71.56) 86.35,69.43
/Audio/audio_in_stereo: length 108.2
  Top w0.2: 102.2,46.2 99.4,46.2 97.7,44.5 82.42,44.5 81.82,45.1 79.61,45.1 79.6,45.11 v1(77.54,45.11) ; 102.2,46.2 103.8,46.2 103.9,46.3 ; 102.2,46.2 102.2,47.33 ; v1(66.13,44.91) 66.88,44.91 67.37,45.4 CM1.48
  Top w0.25: JP4.2 150.9,18.14 129.65,39.39 129.65,46.3 103.9,46.3
  Bottom w0.2: v1(66.13,44.91) 66.32,45.1 77.53,45.1 v1(77.54,45.11)
/Audio/audio_out_stereo: length 102.3
  Top w0.2: CM1.24 69.27,40.6 65.87,37.2 ; 32.4,28.55 52.95,28.55 61.6,37.2 65.87,37.2 ; 65.87,37.2 68.87,34.2 75.41,34.2 76.51,35.3 83.45,35.3 84.25,36.1 92.4,36.1 92.9,35.6 92.9,32.93 94.35,31.48 94.38,31.48 94.38,30.18 95.36,29.2 95.36,27.8 95.76,27.4 95.76,24.02 96.88,22.9 96.88,20.93 97.76,20.05 97.76,15.75 97.8,15.71 97.8,14.65 99.25,13.2 100.17,13.2 101.1,14.13 101.1,15.75 J27.37
/Audio/audio_pcm_clk: length 31.1
  Top w0.2: 99.71,49.58 98.16,48.03 98.16,46.09 97.37,45.3 82.75,45.3 80.75,47.3 79.51,47.3 78.02,45.81 77.25,45.81 77.24,45.8 CM1.49
/Audio/audio_pcm_din: length 46.7
  Top w0.2: J27.38 98.56,18.05 98.56,20.38 97.68,21.26 97.68,23.23 96.56,24.35 96.56,27.73 96.16,28.13 96.16,29.53 95.36,30.33 95.36,31.63 93.76,33.23 93.76,35.99 92.9,36.85 92.9,36.9 83.92,36.9 83.12,36.1 76.63,36.1 76.06,36.68 76.06,39.24 73.9,41.4 CM1.27
/Audio/audio_pcm_dout: length 48.6
  Top w0.2: J27.40 98.16,15.91 98.16,20.21 97.28,21.09 97.28,23.07 96.16,24.19 96.16,27.57 95.76,27.97 95.76,29.37 94.96,30.17 94.96,31.47 93.36,33.07 93.36,35.71 92.57,36.5 84.08,36.5 83.28,35.7 76.47,35.7 75.66,36.51 75.66,38.99 73.65,41 CM1.25
/Audio/audio_pcm_fs: length 58.1
  Top w0.2: v1(77.3,37.34) 77.68,37.34 78.12,36.9 82.76,36.9 83.56,37.7 93.7,37.7 93.7,37.18 94.56,36.32 94.56,33.68 96.16,32.08 96.16,30.67 96.96,29.87 96.96,28.47 97.36,28.07 97.36,24.68 98.56,23.48 98.56,21.51 99.23,20.83 100.86,20.83 J27.35 ; CM1.26 68.5,41 65.79,38.29 v1(65.53,38.29)
  Bottom w0.2: v1(77.3,37.34) 75.5,37.34 73.62,39.22 69.15,39.22 68.22,38.29 v1(65.53,38.29)
/Audio/CM4_3V3: length 160.9
  Top w0.2: J27.17 101.1,41.15 99.23,41.15 98.56,41.83 98.56,42.64 98.3,42.9 81.22,42.9 v1(80.92,43.2) ; J27.1 101,61.37 99.23,61.37 98.46,60.6 98.46,58.49 98.16,58.19 98.16,56.21 96.96,55.01 96.96,49.65 96.16,48.85 96.16,47.3 84.03,47.3 81.07,50.26 78.44,50.26 v1(78.4,50.3) ; 67.35,53 67.35,58 48.67,58 45.27,61.4 33.91,61.4 33.31,62 31.9,62 ; 67.35,53 67.75,52.6 ; 67.35,53 67.45,53 ; 69.15,52.6 69.15,51.55 69.3,51.4 CM1.78 ; 69.15,52.6 69.15,53 ; 69.15,52.6 67.75,52.6 ; 69.15,52.6 CM1.84 CM1.86 69.15,53 ; U7.5 32.41,66.19 R17.2 ; 67.45,53 67.3,53.15 v1(67.3,53.5) ; 67.45,53 69.15,53 ; 67.75,52.6 67.4,52.6 v1(67.3,52.5) ; 32.06,66.64 31.2,67.5 30.4,67.5 29.77,66.87 29.77,62.1 29.88,62 31.9,62 ; 31.9,62 31.6,61.7 31.6,59.91 R16.2
  Bottom w0.2: v1(80.92,43.2) 81.15,43.43 81.15,49.05 77.2,53 67.8,53 v1(67.3,53.5) ; v1(78.4,50.3) 76.2,52.5 v1(67.3,52.5)
/Audio/CM4_GPIO4: length 49.4
  Top w0.2: v1(66.07,46.31) 66.09,46.3 67.09,46.3 67.39,46.6 CM1.54 ; v1(79.4,48) 79.5,47.9 79.8,47.9 ; 79.8,47.9 79.7,48 ; 79.8,47.9 80.79,47.9 82.99,45.7 97.2,45.7 97.76,46.26 97.76,48.19 98.56,48.99 98.56,52.94 99.41,53.79 101.04,53.79 J27.7
  Bottom w0.2: v1(79.4,48) 79.4,47.75 78.25,46.6 67.39,46.6 67.09,46.3 66.09,46.3 v1(66.07,46.31)
/Audio/CM4_GPIO5: length 51
  Top w0.2: 101.54,27.06 100.2,28.4 99.29,28.4 98.56,29.13 98.56,30.54 97.76,31.34 97.76,32.75 96.16,34.35 96.16,36.98 95.3,37.84 95.3,39.3 82.9,39.3 82.1,38.5 80.86,38.5 v1(80.56,38.8) ; CM1.34 69.18,42.6 68.98,42.4 68,42.4 66.21,40.61 v1(65.8,40.61)
  Bottom w0.2: v1(65.8,40.61) 65.91,40.5 75.57,40.5 76.75,39.32 80.04,39.32 v1(80.56,38.8)
/Audio/CM4_GPIO6: length 56.9
  Top w0.2: v1(79.51,38.62) 80.03,38.1 82.27,38.1 83.07,38.9 94.9,38.9 94.9,37.67 95.76,36.81 95.76,34.18 97.36,32.58 97.36,31.17 98.16,30.37 98.16,28.96 98.56,28.56 98.56,26.59 99.47,25.67 101.1,25.67 J27.31 ; CM1.30 68.12,41.8 66.16,39.84 65.46,39.84 v1(64.7,40.6)
  Bottom w0.2: v1(79.51,38.62) 79.21,38.92 76.59,38.92 75.4,40.1 68.9,40.1 68.19,39.39 65.91,39.39 v1(64.7,40.6)
/Audio/CM4_GPIO7: length 34.5
  Top w0.2: 99.71,32.49 97.36,34.84 97.36,37.48 96.5,38.34 96.5,40.49 96.49,40.5 81,40.5 80.4,39.9 78.03,39.9 74.53,43.4 CM1.37
/Audio/CM4_GPIO8: length 33.2
  Top w0.2: J27.24 98.16,36.23 98.16,37.81 97.3,38.67 97.3,40.83 96.96,41.17 96.96,41.18 96.84,41.3 79.19,41.3 78.59,40.7 77.8,40.7 74.7,43.8 CM1.39
/Audio/CM4_GPIO9: length 45.3
  Top w0.2: CM1.40 68.69,43.8 68.49,43.6 66.7,43.6 v1(66.5,43.4) ; v1(78.3,41.4) 78.6,41.7 97.36,41.7 97.36,41.33 97.7,40.99 97.7,38.83 98.56,37.97 98.56,36.75 99.23,36.07 101.1,36.07 J27.21
  Bottom w0.2: v1(78.3,41.4) 77,41.4 76.6,41.8 68.1,41.8 v1(66.5,43.4)
/Audio/CM4_GPIO10: length 41.3
  Top w0.2: v1(76.02,44.07) 76.03,44.07 77.6,42.5 98.13,42.5 98.16,42.47 98.16,41.66 98.5,41.32 98.5,39.17 99.05,38.61 101.1,38.61 J27.19 ; CM1.44 68.2,44.6 v1(67.9,44.3)
  Bottom w0.2: v1(67.9,44.3) 68.2,44.6 75.5,44.6 v1(76.02,44.07)
/Audio/CM4_GPIO11: length 49.2
  Top w0.2: CM1.38 68.85,43.4 68.65,43.2 67.59,43.2 67.09,42.7 65.6,42.7 v1(65.4,42.9) ; J27.23 101.1,33.53 99.23,33.53 97.76,35.01 97.76,37.64 96.9,38.5 96.9,40.66 96.66,40.9 80.5,40.9 80.2,40.6 v1(79.68,40.6)
  Bottom w0.2: v1(65.4,42.9) 66.9,41.4 75.8,41.4 76.6,40.6 v1(79.68,40.6)
/Audio/CM4_GPIO12: length 39.8
  Top w0.2: CM1.31 74.53,42.2 77.74,38.99 78.15,38.99 79.44,37.7 82.43,37.7 83.23,38.5 94.5,38.5 94.5,37.51 95.36,36.65 95.36,34.01 96.96,32.41 96.96,31.01 97.76,30.21 97.76,28.8 98.16,28.4 98.16,26.07 J27.32
/Audio/CM4_GPIO13: length 57.1
  Top w0.2: v1(65,39.3) 65.14,39.44 66.33,39.44 68.29,41.4 CM1.28 ; J27.33 101.03,23.2 99.41,23.2 97.76,24.85 97.76,28.23 97.36,28.63 97.36,30.04 96.56,30.84 96.56,32.25 94.96,33.85 94.96,36.48 94.1,37.34 94.1,38.1 83.4,38.1 82.6,37.3 78.71,37.3 v1(77.82,38.19)
  Bottom w0.2: v1(77.82,38.19) 75.21,38.19 73.7,39.7 69.07,39.7 68.35,38.99 65.31,38.99 v1(65,39.3)
/Audio/CM4_GPIO14: length 56.5
  Top w0.2: J27.8 98.16,53.45 98.16,49.16 97.36,48.36 97.36,46.42 97.04,46.1 83.16,46.1 80.5,48.76 v1(80.45,48.76) ; CM1.55 76.26,47 76.8,47.54 76.8,49.16 76.81,49.17 v1(76.81,50.63) 76.81,53.6 v1(76.61,53.8) 76.3,54.11 76.3,54.9
  Bottom w0.2: v1(76.81,50.63) 76.96,50.63 78.83,48.76 v1(80.45,48.76) ; v1(76.61,53.8) 76.96,53.8 82.26,48.5 85.48,48.5 J16.2
/Audio/CM4_GPIO15: length 41.9
  Top w0.2: 82.25,49.65 81.24,50.66 79.34,50.66 78.9,51.1 77.7,51.1 ; 82.25,49.65 82.3,49.7 J16.3 ; 82.25,49.65 84.19,47.7 95.76,47.7 95.76,49.02 96.26,49.52 v1(96.26,51.2) ; 77.7,51.1 77.7,49.49 77.2,48.99 77.2,47.37 76.03,46.2 CM1.51 ; 77.7,51.1 77.7,53.8 78.8,54.9
  Bottom w0.2: J27.10 97.53,52.46 v1(96.26,51.2)
/Audio/CM4_GPIO16: length 44.7
  Top w0.2: CM1.29 74.37,41.8 76.46,39.71 76.46,36.84 76.8,36.5 82.95,36.5 83.75,37.3 93.3,37.3 93.3,37.01 94.16,36.15 94.16,33.52 95.76,31.92 95.76,30.5 96.56,29.7 96.56,28.3 96.96,27.9 96.96,24.52 98.08,23.4 98.08,21.43 98.96,20.54 98.96,19.44
/Audio/CM4_GPIO17: length 45.9
  Top w0.2: CM1.50 67.2,45.8 67.01,45.61 66.37,45.61 66.36,45.61 65.78,45.61 65.77,45.6 v1(65.2,45.6) ; J27.11 101.03,48.7 99.4,48.7 98.56,47.86 98.56,45.93 97.53,44.9 82.59,44.9 81.29,46.2 v1(79.5,46.2)
  Bottom w0.2: v1(79.5,46.2) 67.58,46.2 66.99,45.61 65.78,45.61 65.77,45.6 v1(65.2,45.6)
/Audio/CM4_GPIO22: length 44.3
  Top w0.2: CM1.46 67.6,45 66.81,44.21 v1(65.3,44.21) ; v1(79.1,43.9) 79.5,44.3 81.49,44.3 82.09,43.7 99.23,43.7 99.23,43.69 101.1,43.69 J27.15
  Bottom w0.2: v1(79.1,43.9) 77.4,42.2 68.8,42.2 66.9,44.1 65.41,44.1 v1(65.3,44.21)
/Audio/CM4_GPIO23: length 27.8
  Top w0.2: J27.16 98.97,44.1 82.26,44.1 81.66,44.7 79.44,44.7 79.44,44.71 78.13,44.71 77.83,44.41 77.25,44.41 76.25,45.4 CM1.47
/Audio/CM4_GPIO24: length 28.7
  Top w0.2: J27.18 98.71,43.3 81.93,43.3 81.33,43.9 80.6,43.9 79.6,42.9 78.19,42.9 76.09,45 CM1.45
/Audio/CM4_GPIO25: length 31.2
  Top w0.2: 99.71,37.39 98.1,39 98.1,41.16 97.76,41.5 97.76,42.1 77.01,42.1 75.32,43.78 75.32,43.81 74.93,44.2 CM1.41
/Audio/CM4_ID_SC: length 36.1
  Top w0.2: CM1.35 74.37,43 77.87,39.5 80.91,39.5 81.51,38.9 81.93,38.9 82.73,39.7 95.7,39.7 95.7,38.01 96.56,37.15 96.56,34.51 98.16,32.91 98.16,31.5 99.71,29.95
/Audio/CM4_ID_SD: length 50.8
  Top w0.2: v1(65.35,41.75) 65.7,42.1 67.06,42.1 67.76,42.8 68.82,42.8 69.02,43 CM1.36 ; J27.27 100.86,30.99 99.23,30.99 98.56,31.67 98.56,33.08 96.96,34.68 96.96,37.31 96.1,38.17 96.1,40.1 82.57,40.1 82.27,39.8 v1(81.8,39.8)
  Bottom w0.2: v1(81.8,39.8) 81.72,39.72 76.92,39.72 75.63,41 66.4,41 65.65,41.75 v1(65.35,41.75)
/Audio/CM4_LED_ACT: length 67.2
  Top w0.2: v1(60.5,42.3) 60.5,57.6 48.5,57.6 45.1,61 D6.1 ; CM1.21 73.65,40.2 74.9,38.95 v1(74.9,36.7)
  Bottom w0.2: v1(74.9,36.7) 72.78,38.82 69.31,38.82 68.08,37.59 65.24,37.59 60.52,42.3 v1(60.5,42.3)
/Audio/CM4_LED_PWR: length 50.7
  Top w0.2: CM1.95 71.6,55 71.6,58.4 48.83,58.4 45.43,61.8 34.9,61.8 33.9,62.8 33.9,63.3 33.23,63.97 33.23,67.3 32.06,68.46
/Audio/conf_i2c_scl: length 50.2
  Top w0.2: CM1.56 66.8,47 v1(66.7,47.1) ; J27.5 101.01,56.3 99.38,56.3 97.76,54.68 97.76,49.32 96.96,48.52 96.96,46.59 96.87,46.5 83.7,46.5 80.74,49.46 79.69,49.46 78.06,47.82 v1(78.06,47.4)
  Bottom w0.2: v1(66.7,47.1) 66.8,47 77.66,47 v1(78.06,47.4)
/Audio/conf_i2c_sda: length 53.2
  Top w0.2: v1(77.9,48.7) 78.37,48.7 79.53,49.86 80.91,49.86 83.86,46.9 96.56,46.9 96.56,48.69 97.36,49.49 97.36,54.85 98.56,56.05 98.56,58.02 99.37,58.83 101,58.83 J27.3 ; v1(66,47.9) 66.89,47.9 67.39,47.4 CM1.58
  Bottom w0.2: v1(66,47.9) 77.1,47.9 v1(77.9,48.7)
